# Altium PCB vision-pi-main.PcbDoc (part 4 of 4)
Units mil, origin at the board's own origin, x right, y up, seen from the top; angles counter-clockwise.
Board outline 944.88 x 1496.06 mil, 6 copper layers (Top Layer, GND(2), Sig(3), Sig(4), PWR, Bottom Layer), stack 32.111 mil thick; 145 components, 190 nets, 978 pads, 464 vias.
Unrouted connection lines stored in the file: 2.
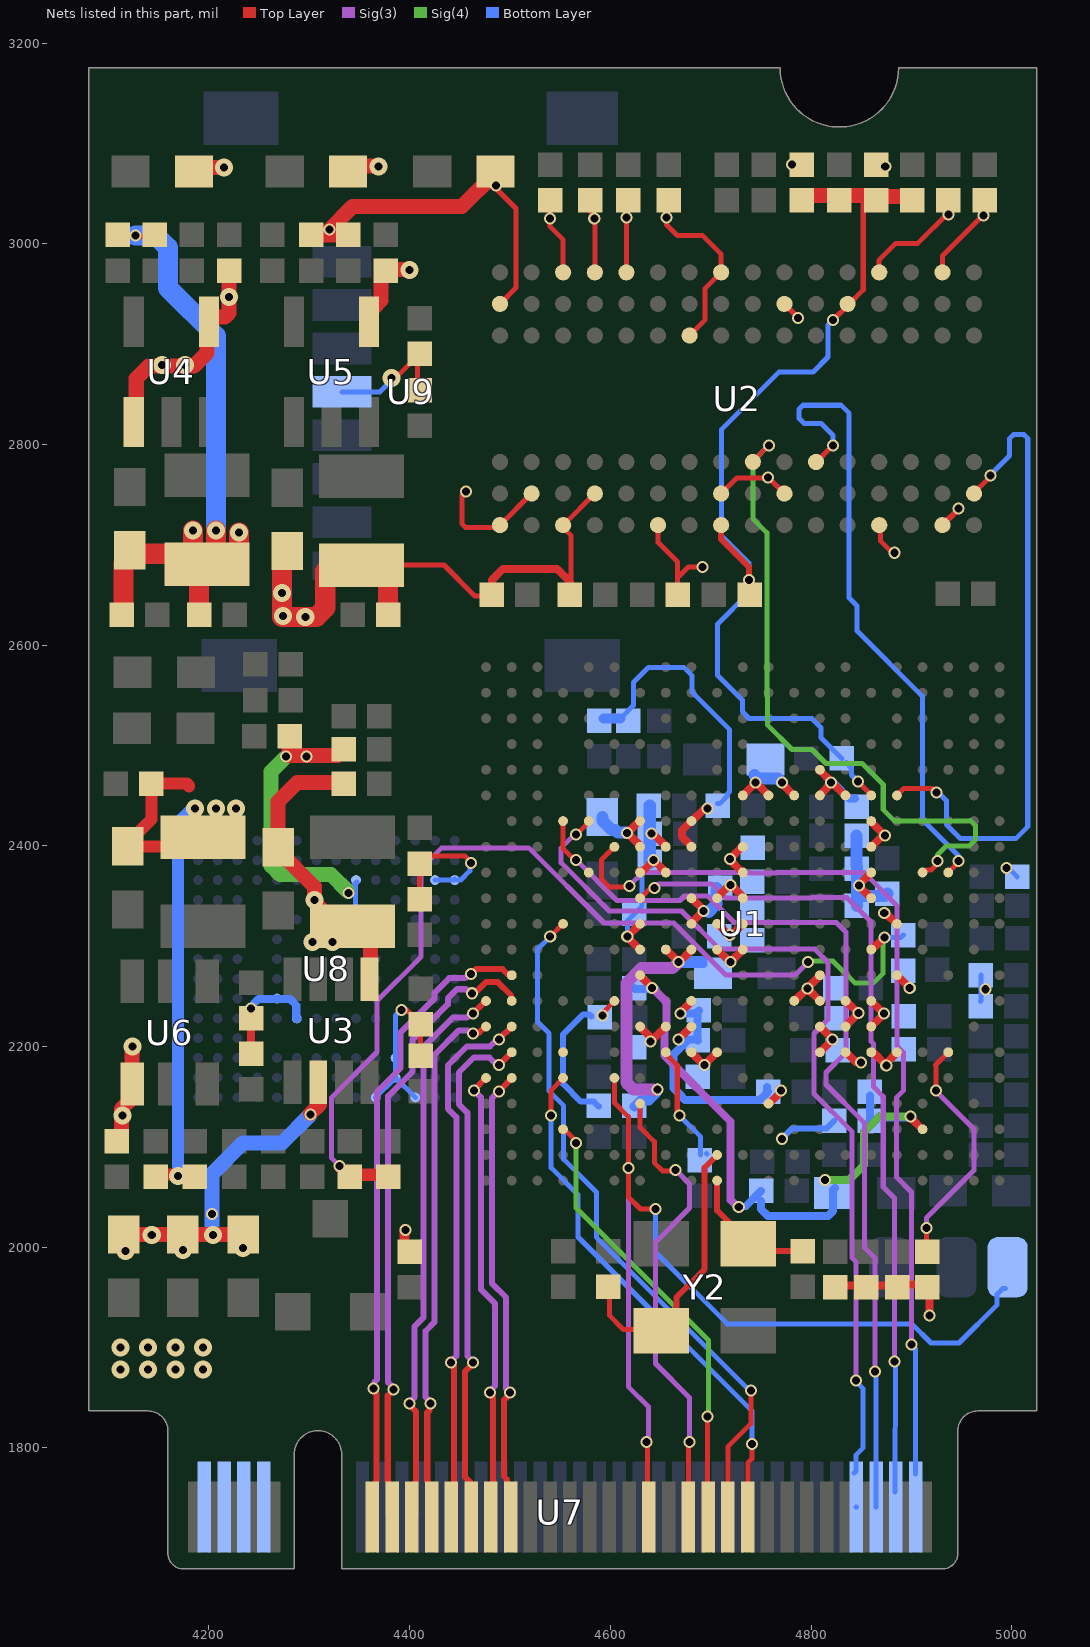
[diagram p8: the nets of this part, all layers, seen from the top]

## Via types
v1: diameter 12, hole 8, Top Layer to Bottom Layer, 412 vias
v2: diameter 18, hole 8, Top Layer to Bottom Layer, 52 vias

## Nets (pads, with @x,y where several pads share a name; then routed paths per layer and width w, separated by ;. In a path a pad name is that pad's centre, name@x,y a point inside that pad or via, vN(x,y) a via of type N, cw(c..) or ccw(c..) an arc to the next point about the centre after c; other vN are vias at no path point) (continued)
SRAS: U1.V13 U2.J3 | length 662
  Top Layer w5: U2.J3@4741.5,2782.54 v1@4756.95,2798 ; U1.V13@4911.5,2372.54 4914.95,2376 4920,2376 v1@4927,2383
  Sig(4) w5: v1(4758,2799) 4742,2783 4742,2726 4756,2712 4756,2549 4756.5,2548.5 4756.5,2520.5 4781,2496 4801,2496 4815,2482 4851,2482 4872,2461 4872,2436 4883,2425 ; 4883,2424.84 4959.16,2424.84 ; v1@4926,2384 v1(4926,2385) 4926,2391 4935,2400 4958,2400 4964,2406 4964,2420 4959.16,2424.84 ; 4959,2425 4959.16,2424.84
SRST: U1.U16 U2.T2 | length 649.7
  Top Layer w5: U1.U16@4885.59,2450.13 4892.46,2457 4921,2457 v1(4925,2453) ; U2.T2@4962.48,2751.02 4962.48,2751.75 v1@4978,2767.27
  Bottom Layer w5: v1(4925,2453) 4926.89,2453 4935,2444.89 4935,2421 4949,2407 5004,2407 5016,2419 5016,2806 5012.07,2809.93 5001.93,2809.93 4998,2806 4998,2789 4979,2770 v1(4979,2769) v1@4979,2768
SVREF: C39.2 C40.2 C41.1 C54.2 R24.2 R25.1 U1.T16 U2.H1 U2.M8 | length 977
  Top Layer w5: R24.2@4791,3049.28 4792.28,3048 R24.2@4793.28,3047 ; v1(4822,2924) 4836.5,2938.5 U2.M8@4836.5,2940 4838,2940 4852.07,2954.07 4852.07,3046 4852,3046 C41.1@4854,3048 ; v1(4847,2464) 4847,2463.57 4860,2450.57 U1.T16@4860,2450.13
  Top Layer w6: U2.H1@4710.51,2719.53 4710.51,2705.49 4738,2678 v1(4738,2665)
  Top Layer w15: R24.2@4792.28,3048 C41.1@4854,3048 ; C41.1@4864,3047 C54.2@4904,3047
  Bottom Layer w5: 4732,2533 4738.2,2526.8 4800.88,2526.8 4810,2517.68 4810,2507.72 C39.2@4830.72,2487 ; v1@4737,2665 4738,2664 4738,2652 4707,2621 4707,2569.68 4731.5,2545.18 4731.5,2533.82 4737.82,2527.5 ; v1(4738,2665) 4738,2682 4711,2709 4711,2815 4768,2872 4802,2872 4817,2887 4817,2919 v1(4822,2924) v1@4823,2925 ; C39.2@4835,2483 4840.42,2477.58 4840.42,2470.47 4846.89,2464 v1(4847,2464)
SWE: U1.W13 U2.L3 | length 643.8
  Top Layer w5: U2.L3@4805.5,2782.54 v1@4820.95,2798 ; U1.W13@4936.77,2373.36 v1@4947.2,2383.8
  Bottom Layer w5: v1@4822,2798 v1(4822,2799) 4822,2809 4810,2821 4793,2821 4788,2826 4788,2835 4792,2839 4830,2839 4838,2831 4838,2646.86 4846,2638.86 4846,2614 4910.89,2549.11 4910.89,2426.11 4947,2390 v1(4947,2385)
UART0_RX: R6.2 U1.H6 | length 119.8
  Top Layer w5: U1.H6@4655,2193 4666.7,2181.3 4666.7,2133.3 v1(4669,2131)
  Bottom Layer w5: v1@4666,2130 4667,2131 v1(4669,2131) 4690,2110 R6.2@4690,2092 ; R6.2@4695.64,2093.36 R6.2@4696.28,2092.72
UART0_TX: pad.@4996,1980 U1.F5 U7.29 | length 967.2
  Top Layer w5: U1.F5@4604.09,2168.64 4604.09,2143.91 4618,2130 v1(4618,2079) 4618,2050 4630,2038 v1@4643,2038 ; v1@4637.22,1804.78 4637.22,1732.22 U7.29@4638.44,1731.01 ; v1@4645,2037 v1(4645,2038)
  Sig(3) w5: v1(4618,2079) 4618,1861 4638,1841 v1@4638,1808
  Bottom Layer w5: v1(4645,2038) 4645,1995 4716.5,1923.5 4900.5,1923.5 4919.5,1904.5 4947.5,1904.5 4985.5,1942.5 4985.5,1953.07 4991.43,1959 pad.@4994,1959
  other v1: 4636,1806
UART1_RX/GPIOG7: U1.D3 U7.23 | length 445.8
  Top Layer w5: U1.D3@4553.54,2117.91 4566,2105.46 v1(4566,2104) ; v1(4697,1831) 4697,1731.5 U7.23@4697.49,1731.01
  Sig(4) w5: v1(4566,2104) 4566,2039 4698,1907 4698,1835 v1@4700,1833
UART1_TX/GPIOG6: U1.G4 U7.25 | length 467.9
  Top Layer w5: U1.G4@4629.69,2143.05 4629.69,2119.32 4643.85,2105.15 4643.85,2084.15 4652,2076 4664,2076 v1(4665,2077) ; U7.25@4677.81,1731.01 4678,1731.2 v1@4678,1805
  Sig(3) w5: v1@4667,2077 4667,2075 4679,2063 4679,2039 4645,2005 4645,1884 4679,1850 v1(4679,1806)
UART2_CTS/GPIOA3: U1.E13
UART2_RTS/GPIOA2: U1.D6
UART2_RX/GPIOA1: U1.D5 U7.19 | length 527.2
  Top Layer w5: v1@4541,2129 v1(4541,2131) 4541,2156.32 U1.D5@4552.91,2168.23 ; U1.D5@4552.78,2168.64 U1.D5@4552.91,2168.64 ; U7.19@4736.86,1731.01 4737,1731.14 4737,1785 4741,1789 v1(4741,1804) v1@4739,1806
  Bottom Layer w5: v1(4541,2131) 4541,2079 4567.8,2052.2 4567.8,2010.11 4741,1836.91 v1@4741,1808.5
UART2_TX/GPIOA0: U1.D11 U7.21 | length 698.9
  Top Layer w5: v1(4540.12,2309.39) U1.D11@4552.91,2322.18 ; U7.21@4717.18,1731.01 4717.17,1801.17 4740,1824 v1(4740,1857)
  Bottom Layer w5: 4527.34,2227.66 4527.5,2227.82 ; v1@4539,2309 4539,2308.27 4527.5,2296.77 4527.5,2227.82 ; v1@4739.5,1856.5 4586,2010 4586,2055 4553.5,2087.5 4553.5,2141 4539,2155.5 4539,2213 4527.5,2224.5 4527.5,2227.82
UART3_CTS/SPI1_MISO: U1.D15 U7.6 | length 947.1
  Top Layer w5: U1.D15@4553,2424 4553,2397 4564,2386 v1(4566,2386)
  Sig(3) w5: v1(4566,2386) 4606.5,2345.5 4669.5,2345.5 4674,2350 4697,2350 4723,2324 ; 4723,2323.5 4825.18,2323.5 4834.71,2313.97 4834.71,2193.71 4815,2174 4815,2162 4853.5,2123.5 4853.5,1999.5 4864,1989 v1(4864,1876)
  Bottom Layer w5: U7.6@4864.81,1741.01 4864.91,1741.1 v1@4864.91,1875
UART3_RTS/SPI1_MOSI: U1.F14 U7.2 | length 933.1
  Top Layer w5: U1.F14@4604.09,2398.95 4591,2385.86 4591,2367 4598.93,2359.07 4617.93,2359.07 v1@4618,2359
  Sig(3) w5: v1(4619,2360) 4632.34,2373.34 4738.66,2373.34 ; 4739,2373 4765.19,2373 4765.71,2373.52 4852.52,2373.52 4885.52,2340.52 4885.52,2314.16 4885.89,2313.79 4885.89,2200.11 4892,2194 4892,2156 4885.5,2149.5 4885.5,2149 ; 4885,2149 4885,2070 4900,2055 v1(4900,1903)
  Bottom Layer w5: v1(4900,1903) 4904.18,1898.82 4904.18,1774.37 U7.2@4903.91,1774.1
UART3_RX/SPI1_CLK: U1.G12 U7.4 | length 828.7
  Top Layer w5: U1.G12@4629.72,2347.45 v1@4642.36,2360.09 ; U1.G12@4630.82,2347.28 U1.G12@4631.45,2347.28
  Sig(3) w5: v1(4644,2358) 4648,2362 4701.01,2362 4714.94,2348.07 4801.2,2348.07 4801.63,2348.5 4835.5,2348.5 4859.89,2324.11 4859.89,2205.11 4862.5,2202.5 4862.5,2159.5 4872,2150 4872,2060 4883,2049 v1(4883,1886)
  Bottom Layer w5: U7.4@4883.91,1756.1 v1@4884,1885
UART3_TX/SPI1_CS: U1.E15 U7.8 | length 895.9
  Top Layer w5: v1@4566,2412.52 4567.52,2412.52 4578.5,2423.5 U1.E15@4578.5,2424.54 U1.E15@4578.5,2425.02
  Sig(3) w5: v1(4566,2411) 4564,2411 4551,2398 4551,2383 4599,2335 4671,2335 4709.11,2296.89 4803.79,2296.89 4817,2283.68 4817,2227 4803,2213 4803,2153 4841,2115 4841,1989 4845,1985 v1(4845,1867)
  Bottom Layer w5: U7.8@4843,1775 4845,1777 4845,1793 4852,1800 4852,1859 v1@4847,1864 ; U7.8@4845.06,1741.07 U7.8@4845.13,1741.01
UBOOT: R11.2 U1.W6 | length 229.8
  Top Layer w5: v1(4915,2019) 4915,2006.72 R11.2@4916,2005.72 ; v1(4924.38,2156) 4924.38,2181.08 4924,2181.46 U1.W6@4936.77,2194.23
  Sig(3) w5: v1(4915,2019) 4915,2029 4962.5,2076.5 4962.5,2117.5 4924.38,2155.62 v1(4924.38,2156)
USB_DM0: U1.B5 U7.43 | length 462.8
  Top Layer w6: v1(4489,2155) v1@4489.5,2155.5 ; v1@4489.55,2156 4501.73,2168.19 U1.B5@4501.73,2168.64 ; 4496.3,1849.67 4500,1854 4494,1847.48 4494,1771.41 4496.94,1768.47 4496.94,1734.7 U7.43@4500.64,1731.01
  Sig(3) w6: v1(4489,2155) 4488.51,2155 4482,2148.49 4482,1964 4496,1950 4496,1859.24 4500,1855.24 v1(4500,1855)
USB_DM1: U1.B7 U7.49 | length 536.6
  Top Layer w6: v1(4441,1885) 4441,1883.99 4444,1880.99 4444,1733.42 U7.49@4441.59,1731.01 ; v1(4488.94,2207.02) U1.B7@4501.73,2219.82
  Sig(3) w6: v1(4441,1885) 4441,1886.01 4446.5,1891.51 4446.5,2129.5 4438,2138 4438,2181 4457,2200 4480.02,2200 4485.7,2205.68 4487.32,2205.68 v1@4488,2205
USB_DM2: U1.A8 U7.53 | length 560
  Top Layer w6: v1(4400,1844) 4400,1842.38 4406.56,1835.82 4406.56,1766.96 4405.91,1766.31 4405.91,1734.7 U7.53@4402.22,1731.01 ; v1(4463,2233) 4463.37,2233 4475.78,2245.41 U1.A8@4476.14,2245.41
  Sig(3) w6: v1(4400,1844) 4400,1845.51 4405,1850.51 4405,1921 4414,1930 4414,2199.56 4443.44,2229 4457.38,2229 4461.38,2233 v1(4463,2233)
USB_DM3: U1.B9 U7.57 | length 625.7
  Top Layer w6: U7.57@4362.85,1731.01 4366.54,1734.7 4366.54,1766.31 4367.19,1766.96 4367.19,1854.19 4364,1857.38 v1(4364,1859) ; 4466,2277 4492.56,2277 4497.82,2271.74 4501,2271.74 U1.B9@4501.73,2271
  Sig(3) w6: 4365.15,1865.65 4367.5,1868 4367.5,2155.06 4391,2178.56 4391,2214 4425,2248 4425,2253.56 4439.44,2268 4455.38,2268 4459.38,2272 v1(4461,2272)
USB_DP0: U1.A5 U7.45 | length 458.9
  Top Layer w6: v1@4463.94,2156.43 U1.A5@4476.14,2168.64 ; U1.A5@4476.14,2167.14 U1.A5@4476.14,2168.64 ; U1.A5@4476.73,2169.23 U1.A5@4476.14,2168.64 ; v1(4480,1855) 4478.85,1853.85 4479.15,1853.85 4483,1850 4483,1733.05 U7.45@4480.96,1731.01
  Sig(3) w6: v1(4464,2156) 4464.49,2156 4471,2149.49 4471,1958 4485,1944 4485,1861.62 4480,1856.62 v1(4480,1855)
USB_DP1: U1.B6 U7.47 | length 490.5
  Top Layer w6: 4456.28,1769.72 4461,1765 U7.47@4461,1764 ; 4456.28,1769.76 4455,1771.04 4455,1875.99 4463,1883.99 v1(4463,1885) ; v1(4488.94,2181.43) U1.B6@4501.73,2194.23
  Sig(3) w6: v1(4463,1885) 4463,1886.01 4457.5,1891.51 4457.5,2134.06 4449,2142.56 4449,2174 4464,2189 4479.47,2189 4485.7,2182.77 4486.77,2182.77 v1@4487.18,2183.18 ; v1@4488,2184 v1@4487.18,2183.18 ; v1(4488.94,2181.43) v1@4487.18,2183.18
USB_DP2: U1.A7 U7.51 | length 528.3
  Top Layer w6: v1(4421,1844) 4419.85,1842.85 4419.85,1837.29 4417.56,1835 4417.56,1766.95 4418.2,1766.31 4418.2,1734.7 U7.51@4421.9,1731.01 ; 4469.43,2214.15 4475.1,2219.82 U1.A7@4476.14,2219.82
  Sig(3) w6: v1(4421,1844) 4421,1845.51 4416,1850.51 4416,1916.44 4425,1925.44 4425,2192 4449,2216 4458.38,2216 4461.38,2213 v1(4463,2213)
USB_DP3: U1.B8 U7.55 | length 632.3
  Top Layer w6: U7.55@4382.53,1731.01 4378.83,1734.7 4378.83,1766.31 4378.19,1766.95 4378.19,1852 4384,1857.81 v1(4384,1858) ; v1(4462,2253) 4465,2253 4476,2264 4488,2264 4501,2251 4501,2246.14 U1.B8@4501.73,2245.41
  Sig(3) w6: v1(4384,1858) 4384,1859.62 4378.5,1865.12 4378.5,2150.5 4403,2175 4403,2207 4438,2242 4438,2248 4447,2257 4456.38,2257 4460.38,2253 v1(4462,2253)
VCC-DRAM: C41.2 C42.2 C43.2 C44.2 C45.2 C46.2 C47.2 C48.2 C49.2 C50.2 C51.2 C52.2 C53.2 C55.2 C56.2 C57.2 C58.2 C72.2 C76.2 C78.1 L3.1 R24.1 R35.1 U1.L16 U1.M16 U1.N16 U1.P16 U1.P17 U1.R16 U1.T12 U1.T13 U1.T14 U1.T15 U1.U11 U2.A1 U2.A8 U2.B2 U2.C1 U2.C9 U2.D2 U2.D9 U2.E9 U2.F1 U2.G7 U2.H2 U2.H9 U2.K2 U2.K8 U2.N1 U2.N9 U2.R1 U2.R9 | length 2284.9
  Top Layer w5: L3.1@4352,2679.71 4434.29,2679.71 4465,2649 C55.2@4477,2649 ; v1(4456,2753) 4452,2749 4452,2721 4455.6,2717.4 4487.91,2717.4 U2.A1@4490.04,2719.53 U2.B2@4521.54,2751.02 ; C42.2@4487,3075 4487,3054 4505.96,3035.04 4505.96,2965.05 4506,2965.01 4506,2955.96 U2.A8@4490.04,2940 ; C43.2@4543,3046 4540,3043 v1(4540,3025) 4540,3017 4553.03,3003.97 U2.C9@4553.03,2971.5 ; U2.C1@4553,2721 4554.5,2721 U2.D2@4584.53,2751.02 ; U2.C1@4553.03,2719.53 4553.03,2716.97 4561,2709 4561,2654 C58.2@4560,2653 ; C44.2@4580,3044 4579,3043 4579,3033 4584.53,3027.47 U2.D9@4584.53,2971.5 ; U2.E9@4616.02,2971.5 4616.02,3042.02 C47.2@4617,3043 ; U2.F1@4647.52,2719.53 4647.52,2702.48 4667,2683 4667,2667 ; C57.2@4656,3049 v1(4656,3026) 4656,3019 4667,3008 4692,3008 4710.51,2989.49 U2.H9@4710.51,2971.5 ; C56.2@4667,2652 4667,2667 ; U2.G7@4679.02,2908.5 4694.59,2924.07 4694.59,2955.57 U2.H9@4710.51,2971.5 ; v1@4691,2678 4678,2678 4667,2667 ; U2.H2@4710.51,2751.02 4726.08,2766.59 v1@4758,2766.59 ; U2.H9@4712,2974 4712,2972.98 U2.H9@4710.51,2971.5 ; v1@4758,2767 v1@4758,2766.59 ; v1@4758.59,2766.59 v1@4758,2766.59 ; U2.K2@4773.5,2751.02 4758,2766.53 v1@4758,2766.59 ; U2.K8@4773.5,2940 4787,2926.5 v1(4787,2926) ; U2.N1@4867.99,2719.53 4869.04,2718.48 4869.04,2703.96 v1@4882,2691 ; U2.N9@4867.99,2971.5 4867.99,2983.99 4884,3000 4906,3000 4937,3031 4937,3038 C45.2@4934,3041 ; U2.R9@4930.98,2971.5 4930.98,2987.98 4971,3028 4971,3028.58 4972,3029.58 C46.2@4972,3044
  Top Layer w6: U2.R1@4930.98,2719.53 4947.46,2736 v1@4948,2736
  Top Layer w8: C55.2@4482,2650 4482,2665 4493,2676 4547,2676 4560,2663 ; U1.L16@4732.05,2450.13 v1(4744.84,2462.93) ; v1@4745.07,2463.02 U1.M16@4757.87,2450.23 ; v1@4770.55,2462.55 U1.N16@4782.87,2450.23 ; U1.P17@4808.72,2475.18 v1@4820.91,2463 ; U1.P16@4808.82,2450.72 v1@4821.07,2462.98 ; v1(4820,2463) v1@4820.91,2463 ; v1@4820.98,2462.93 v1@4820.91,2463 ; U1.R16@4833.87,2450.41 4833.64,2450.41 4821.54,2462.5 4821.54,2463 v1@4820.91,2463 ; v1@4847.43,2360.2 U1.T12@4860.23,2347.41 ; v1@4847.57,2360.8 U1.T13@4860,2373.23 ; U1.T14@4860,2398.77 v1@4872.5,2411.27 ; U1.T15@4860.77,2423 v1@4872.5,2411.27 ; v1@4872.8,2411.57 v1@4872.5,2411.27 ; v1(4873,2333) 4874.23,2333 U1.U11@4885.41,2321.82 ; v1(4873.57,2410.2) v1@4872.5,2411.27
  Top Layer w15: C72.2@4302,3008.72 4337.72,3008.72 R35.1@4339,3010 ; v1(4320,3014) 4343,3037 4452,3037 C42.2@4483,3068
  Top Layer w20: C76.2@4278.08,2693.8 4273,2688.72 v2(4273,2652) 4273,2628 v2(4296,2628) 4307,2628 4315.88,2636.88 L3.1@4315.88,2674 ; L3.1@4372.57,2674 4378.51,2668.06 C78.1@4378.51,2630.29
  Bottom Layer w8: v1(4820,2463) 4820.77,2462.23 4822.77,2462.23 4830.49,2454.52 4830.49,2454.23 4837.72,2447 C50.2@4844,2447
  Bottom Layer w12: C48.2@4743.5,2470.5 4747,2467 4767,2467 v1(4771,2463) ; C51.2@4845.43,2410 4845.43,2379.8 4846,2379.23 C52.2@4846,2348 ; C52.2@4845.72,2340 C52.2@4845.72,2348 ; C52.2@4847,2349 4848,2350 4873.72,2350 C49.2@4876,2352.28
  other v1: 4847.8,2360.57 4692,2678 4883,2692 4947,2736 4757,2767 4584,3025 4616,3026 4972,3028 4937,3029 4486,3058 4874,3077 4781,3079
  other v2: 4274,2629
VDD1V1-EPHY: C11.2 R34.1 U1.F8 | length 149.2
  Top Layer w5: v1@4591.71,2232.61 U1.F8@4604.5,2245.41
  Bottom Layer w6: C11.2@4581,2230 4579.31,2231.69 4572.69,2231.69 4553,2212 4553,2162.69 4570.69,2145 4583.57,2145 R34.1@4588.57,2140
  other v1: 4592,2231
VDD1V2-SYS: C21.2 C34.2 C35.2 C36.2 C37.2 C38.2 C75.2 C77.2 C79.2 C80.1 L4.1 R34.2 R36.1 U1.H10 U1.J10 U1.J11 U1.J12 U1.K10 U1.K11 U1.K12 U1.L10 U1.L11 U1.L12 U1.L13 U1.L14 | length 1199.5
  Top Layer w5: L4.1@4164,2410.29 4186,2432.29 v2(4186,2437) ; L4.1@4193,2394.14 4203,2404.14 4201,2406.14 4207,2412.14 v2(4207,2437) ; L4.1@4219,2395.14 4227,2403.14 v2(4227,2437)
  Top Layer w8: U1.H10@4655.41,2296.87 v1@4668.21,2284.07 ; v1@4668.13,2283.41 U1.J10@4680.93,2296.21 ; U1.J11@4680.05,2322.36 v1(4692.84,2335.16) ; U1.J12@4680.95,2347.95 4681,2347.91 v1@4693.75,2335.16 ; U1.K10@4706.41,2296.87 v1@4719.21,2284.07 ; U1.K11@4706.84,2322.43 v1@4719.5,2309.78 ; U1.K12@4707.05,2348.95 v1@4719.84,2361.75 ; v1@4718.25,2386.84 U1.L13@4731.05,2374.05 ; v1@4718.57,2308.84 v1@4719.5,2309.78 ; v1(4719.16,2386.84) U1.L14@4731.95,2399.64 ; v1@4719.64,2309.64 v1@4719.5,2309.78 ; v1(4719.79,2284.16) U1.L10@4732.59,2296.95 ; v1@4719.84,2361.43 U1.L12@4732.64,2348.64 ; U1.L11@4731.36,2321.64 v1@4719.5,2309.78
  Top Layer w12: C77.2@4118,2410 4126.26,2410 4142.72,2426.46 C80.1@4142.72,2462 4178.08,2462 4180,2460.08 4180,2459 ; C77.2@4119,2399.5 4165.5,2399.5 L4.1@4174,2408 ; R36.1@4147,2072.28 4184.72,2072.28 C75.2@4187,2070
  Sig(3) w12: v1@4644,2156 4643,2157 4623.03,2157 4616,2164.03 4616,2263 4631,2278 4662,2278 v1(4668,2284)
  Bottom Layer w8: C79.2@4691,2284 C79.2@4693,2282
  Bottom Layer w10: R34.2@4624,2140 4630.2,2146.2 4638.47,2146.2 4645.92,2153.65 4645.92,2156.92 v1@4647,2158
  Bottom Layer w12: v2(4169,2071) 4169,2423 v2@4181,2435 ; v1(4668,2284) C79.2@4691,2284 ; v1@4698,2334 4705.72,2341.72 C35.2@4705.72,2358
  other v1: 4647,2157 4719,2311 4719.84,2360.84
VDD-CPUFB: C69.2 R16.1 R27.1 U1.T10 | length 1006
  Top Layer w8: U1.T10@4860.41,2296 v1(4873.21,2308.8)
  Top Layer w12: C69.2@4331,2079.58 C69.2@4339.29,2071.29 ; C69.2@4339,2071 C69.2@4339.29,2071.29 ; C69.2@4340.46,2070.13 C69.2@4339.29,2071.29 ; R27.1@4378.73,2071.94 4378.53,2072.14 4340.14,2072.14 C69.2@4339.29,2071.29
  Sig(3) w5: v1(4330,2081) 4322,2089 4322,2149 4367.5,2194.5 4367.5,2245.5 4411.55,2289.55 4411.55,2377.55 4432,2398 4518.68,2398 4593.68,2323 4663.27,2323 4715.27,2271 4784,2271 v1(4797,2284) v1@4798,2285
  Sig(4) w5: v1@4798,2284 4799,2285 4822,2285 4844,2263 4862,2263 4871.87,2272.87 4871.87,2307.46 v1(4873.21,2308.8)
  Bottom Layer w5: v1@4873,2309 v1(4873.21,2308.8) 4889.8,2308.8 R16.1@4892,2311
VDD-CPUS: C19.2 C24.2 C25.2 U1.J7 U1.J8 U1.M4 | length 277.3
  Top Layer w8: v1(4668.07,2207.02) U1.J7@4680.87,2219.82 ; v1(4670,2233) 4670,2234.04 4680.87,2244.91 U1.J8@4680.87,2245.41 ; U1.M4@4757.14,2143.05 U1.M4@4757.64,2143.05 ; U1.M4@4758.05,2142.86 v1@4768,2152.81
  Bottom Layer w8: v1@4668.98,2207.02 4686.26,2207.02 C24.2@4687,2206.28 ; 4671,2150 4674.2,2146.8 4749.08,2146.8 C19.2@4756,2153.72 ; v1@4671,2233 4685.28,2233 C25.2@4687,2234.72 ; 4671.28,2150.28 4663,2158.56 4663,2192 C24.2@4677,2206 ; C24.2@4687,2206 C24.2@4687,2206.28 ; C24.2@4687.28,2206 C24.2@4687,2206.28 ; C25.2@4688.28,2236 C25.2@4687,2234.72 ; C19.2@4756,2159.5 C19.2@4756,2153.72 ; C19.2@4757.28,2155 C19.2@4756,2153.72 ; C24.2@4687,2206.28 C25.2@4687,2234.72
  other v1: 4770,2156
VDD-CPUX: C29.2 C30.2 C31.2 C32.2 C33.2 C60.2 C61.1 L1.1 R16.2 U1.N8 U1.P6 U1.P7 U1.P8 U1.P9 U1.R6 U1.R7 U1.R8 U1.T6 U1.T7 U1.T8 U1.U6 U1.U9 U3.5 | length 526.2
  Top Layer w8: U1.N8@4783.59,2245.23 v1@4796.39,2258.02 ; v1(4796.39,2257.8) U1.P8@4809.18,2245 ; v1@4796.61,2258.39 U1.P9@4809.41,2271.18 ; U1.P6@4808.77,2193.82 v1@4821.57,2206.61 ; U1.P7@4808.82,2219.82 v1(4821.61,2207.02) ; U1.R6@4834.41,2194.23 4834.91,2194.23 4844.37,2184.77 4849.23,2184.77 v1(4850,2184) ; U1.R7@4834.59,2220.41 v1@4847.2,2233.02 ; U1.R8@4835.41,2244.82 v1@4847.2,2233.02 ; v1(4847.39,2233.21) v1@4847.2,2233.02 ; v1@4848.21,2232.02 v1@4847.2,2233.02 ; U1.T7@4859.18,2219 U1.T7@4860,2219.82 v1@4871.98,2231.8 ; U1.T6@4860,2194.23 4860.35,2193.88 4862.12,2193.88 v1@4873.91,2182.09 ; U1.T8@4860,2245.41 v1(4872.8,2232.61) ; v1@4873.43,2181.61 v1@4873.91,2182.09 ; v1(4875,2181) v1@4873.91,2182.09 ; U1.U9@4885.59,2271 v1(4898.39,2258.2) ; U1.U6@4886.23,2194.41 v1@4873.91,2182.09
  Top Layer w15: C61.1@4329,2463 4288,2463 4269,2444 C60.2@4269,2398.5 4269,2395.25 4305,2359.25 v2(4305,2346) 4305,2344 4308,2341 4318.5,2330.5 4339.5,2330.5 L1.1@4349,2321 ; U3.5@4360.11,2266.84 4361,2267.73 L1.1@4361,2317
  other v2: 4303,2304 4323,2304
VDD_5V: C59.2 C62.2 C63.2 C64.2 C70.2 C71.1 C73.2 C74.1 U3.2 U4.1 U4.4 U5.4 U6.4 U7.68 U7.70 U7.72 U7.74 | length 755.2
  Top Layer w15: C74.1@4108,2107.46 4112.7,2112.17 4112.7,2137.85 4122,2147.15 U6.4@4122,2153 ; C73.2@4115,2012.5 C59.2@4174,2012.5 4229.5,2012.5 C62.2@4232,2010 ; U6.4@4123.5,2178.22 v2@4123.5,2200.61 ; U4.1@4125.08,2822.29 4127.58,2824.79 4127.58,2865.58 4140,2878 4185,2878 4198,2891 4198,2916 U4.4@4200,2918 ; C63.2@4184.99,3076 4214,3076 v2@4215,3075 ; U4.4@4198.09,2924.09 4201,2927 4216,2927 4220,2931 v2(4220,2947) C64.2@4220,2973.28 ; v1@4301,2133 4310.29,2142.29 4310.29,2163.12 U3.2@4308.93,2164.48 ; C70.2@4338.5,3078 4339,3077.5 4368.5,3077.5 v2@4369,3078 ; U5.4@4365,2937 4371.3,2943.3 4371.3,2968.58 C71.1@4376,2973.28 ; C71.1@4378.22,2974.5 v2@4400.61,2974.5
  Bottom Layer w15: v2@4205,2013 4203,2015 v1(4203,2033) 4203,2073 4234,2104 4273,2104 v1@4300.67,2131.67
  other v1: 4301,2132
  other v2: 4112,1878 4139.33,1878 4166.67,1878 4194,1878 4112,1900 4139.33,1900 4166.67,1900 4194,1900 4117,1996 4174,1997 4234,1999 4143,2012 4204,2012 4114,2131 4124,2200 4153,2879 4176,2879 4400,2974 4215,3076 4369,3077
VDD_AV_3.3V: C10.2 C13.2 C14.2 R7.2 R15.1 U1.G9 U1.V3 | length 645.5
  Top Layer w8: U1.G9@4630.59,2269.87 v1@4643.39,2257.07 ; v1@4899.02,2129.34 U1.V3@4911.82,2116.54
  Sig(3) w8: v1@4643.39,2257.07 4643.39,2256.84 4656,2244.23 4656,2218.58 4654.07,2216.65 4654.07,2190.93 4720,2125 4720,2047 v1@4726,2041
  Sig(4) w8: v1(4814,2067) v1@4817,2067 ; v1@4815,2069 v1@4817,2067 ; v1(4899,2130) 4868,2130 4853,2115 4853,2082 4838,2067 v1@4817,2067
  Bottom Layer w8: C10.2@4623.72,2258 4624.65,2257.07 4643.39,2257.07 4644.93,2257.07 v1@4645,2257 ; 4735.05,2040.77 R15.1@4750.28,2056 ; R15.1@4750,2046 4750,2038 4757,2031 4817,2031 4822,2036 4822,2056.99 C13.2@4824.01,2059 ; R7.2@4855,2122 4858.72,2125.72 R7.2@4858.72,2126 C14.2@4858.72,2151 ; R7.2@4858.72,2121 4866.72,2129 v1@4897,2129
  other v1: 4728,2040 4641.39,2258.07
VDD_SYS_3.3V: C1.2 C2.2 C3.2 C8.2 C15.2 C26.2 C27.2 C28.2 C65.1 C66.2 C67.1 C83.2 C86.2 C87.2 C88.2 C89.2 L2.1 R1.1 R2.1 R4.1 R7.1 R10.2 R11.1 R12.2 R13.2 R14.2 R26.1 R31.2 R32.2 R33.2 R39.2 R42.2 R43.2 U1.G7 U1.G10 U1.G11 U1.G13 U1.G14 U1.G15 U1.H7 U1.H13 U1.H14 U1.J6 U1.J14 U1.J15 U1.K6 U8.C6 U8.E6 U8.F5 U8.J10 U8.K9 U8.M4 U8.N4 U8.P3 U8.P5 U9.4 | length 2385.1
  Top Layer w5: C65.1@4109,3008.72 4110.71,3007 R26.1@4147,3007 ; C66.2@4114,2683 C66.2@4115,2682 ; v2@4383,2866 4385.49,2868.49 4388.2,2868.49 R43.2@4410,2890.28 ; v1@4389.71,2234.48 4392.22,2236.99 4396.3,2236.99 C88.2@4411,2222.28 ; R43.2@4408,2885 4408,2856 C89.2@4410,2854 ; C88.2@4409,2222 4411,2220 C83.2@4411,2190.72
  Top Layer w8: C87.2@4240,2224 4242,2222 C86.2@4242,2192.72 C86.2@4243,2193.72 ; v1@4616.13,2413.64 v1@4616.98,2412.8 ; v1@4616.79,2309.11 U1.G10@4629.59,2296.32 ; v1(4616.84,2412.66) v1@4616.98,2412.8 ; v1(4616.89,2309.39) U1.G11@4629.69,2322.18 ; U1.G14@4628.93,2400.84 v1@4616.98,2412.8 ; U1.G13@4629,2375 4629,2373 4629.36,2373.36 U1.G13@4629.69,2373.36 U1.G13@4630.46,2373.36 ; U1.G7@4629.59,2219.68 4629.59,2219.41 4639.23,2209.77 4639.23,2205.77 v1(4640,2205) ; U1.G15@4629.64,2425.46 v1@4616.98,2412.8 ; U1.G13@4630.84,2373.07 v1@4643.27,2385.5 ; v1(4641,2412) 4642.82,2412 U1.H14@4654.46,2400.36 ; v1@4642.13,2386.64 v1@4643.27,2385.5 ; v1@4642.37,2206.91 U1.H7@4655.28,2219.82 ; v1@4643.64,2385.87 v1@4643.27,2385.5 ; U1.H13@4654.93,2373.84 v1@4643.27,2385.5 ; U1.J6@4680.77,2193.87 v1@4693.57,2181.07 ; U1.J14@4680.87,2398.95 4680.87,2399.45 4671.47,2408.84 4671.47,2415.47 U1.J15@4681,2425 ; U1.J15@4680.87,2424.54 4681.36,2424.54 4693.06,2436.23 4696.23,2436.23 v1(4697,2437) ; v1(4693.66,2181.43) U1.K6@4706.46,2194.23 ; R1.1@4834,1962 4877.72,1962 4878.72,1963 4911,1963 4918,1956 v1(4918,1932)
  Top Layer w10: v1@4395,2018 4395,2005.72 R31.2@4402,1998.72
  Top Layer w15: R33.2@4280,2506 4280,2490 4328.28,2490 R4.1@4334.28,2496
  Top Layer w20: C67.1@4113.28,2630 4115,2631.72 C66.2@4115,2682 ; C66.2@4127,2691 L2.1@4179.86,2691 ; L2.1@4163,2691 4169,2685 L2.1@4169,2673 ; v2(4184,2714) 4184,2697 4178,2691 L2.1@4179.86,2691 ; L2.1@4188,2669 4190.28,2666.72 R32.2@4190.28,2630 ; L2.1@4196,2670.14 L2.1@4196,2680.71 ; L2.1@4206.85,2680.71 L2.1@4198,2680.71 L2.1@4196,2680.71 ; v2(4207,2714) 4207,2691.71 L2.1@4196,2680.71 ; L2.1@4222,2669.14 4227.86,2675 4224,2675 4230,2681 v2(4230,2712) ; L2.1@4179.86,2691 4190.15,2680.71 L2.1@4196,2680.71
  Sig(4) w15: v1@4275,2487 4262,2474 4262,2380 4270.79,2371.21 4321.79,2371.21 v1@4338,2355
  Bottom Layer w5: U9.4@4332.59,2852.28 4370.28,2852.28 v2@4382,2864 ; v1@4338,2354.22 U8.C6@4347.57,2363.8 ; U8.C6@4346,2363 4346,2328.15 U8.E6@4347.15,2327 ; U8.E6@4346.57,2326.43 U8.F5@4366,2307 ; U8.P5@4366.13,2149.13 U8.P5@4366.26,2149.26 U8.N4@4385,2168 ; U8.N4@4385,2169 4385.94,2169.94 U8.M4@4385.94,2188.63 4386,2188.69 4386,2231 v1@4391,2236 ; U8.N4@4385.94,2168.94 U8.P3@4405.63,2149.26 ; R2.1@4610.28,2527 4623,2539.72 4623,2562.68 4638.11,2577.79 4673.25,2577.79 4681.16,2569.88 4681.16,2553.36 4719,2515.52 4719,2454 4716.7,2451.7 4716.7,2449.7 4709,2442 C15.2@4707,2442 ; v1@4617,2309 4616.89,2309.11 v1(4616.89,2309.39) 4616.89,2325.17 C28.2@4623.72,2332 4631.5,2339.78 4631.5,2376.5 C27.2@4631,2377 ; R14.2@4969,2245 4969.28,2245.28 R13.2@4969.28,2271 ; v1@4993,2380 4994.43,2380 R12.2@5005.43,2369
  Bottom Layer w6: v1@4773.5,2110.5 4781,2118 4815.28,2118 R7.1@4823.28,2126
  Bottom Layer w8: v1@4245,2243 4249.33,2247.33 4267.48,2247.33 U8.J10@4267.83,2247.69 4268.19,2247.33 4280.67,2247.33 4287,2241 U8.K9@4287,2229 ; U8.K9@4287.17,2227.17 4287.17,2227.65 U8.K9@4287.52,2228
  Bottom Layer w10: R42.2@4593,2527 R2.1@4610.28,2527
  Bottom Layer w12: C26.2@4592,2428.5 4592,2425.25 4601.75,2415.5 4605,2415.5 4607.5,2413 v1@4616,2413 ; C8.2@4639.28,2440 C1.2@4639.28,2412 C27.2@4639.28,2384 4639.28,2383.72 C27.2@4640,2383
  Bottom Layer w20: v1(4127,3008) 4147.28,3008 4159,2996.28 4159,2956 4207,2908 v2(4207,2714)
  other v1: 4396,2017 4771,2108 4391.71,2236.48 4242,2238 4974,2257 4339,2353 4995,2378 4643,2386 4277,2489 4297,2489
  other v2: 4382,2866
VDDI-EMMC: C84.2 C85.2 U8.C1 U8.C2 | length 135
  Top Layer w5: C84.2@4409,2354 4410,2355 C85.2@4410,2382.28 4417.72,2390 4455,2390 4461,2384 v1@4462,2384 ; C84.2@4410,2346.72 C84.2@4412.28,2349
  Bottom Layer w5: U8.C2@4425.31,2365.8 4443.8,2365.8 U8.C1@4445,2367 ; U8.C1@4445,2365.8 4450.8,2365.8 4460,2375 v1@4460,2381.4
  other v1: 4461,2383
X24MI: C22.2 U1.K2 Y2.1 | length 255.1
  Top Layer w5: C22.2@4598,1967.28 4599,1966.28 4599,1932 4613,1918 Y2.1@4644,1918
  Top Layer w6: 4666,1940 4666,1950 4694,1978 4694,2079.41 U1.K2@4706.46,2091.87
X24MO: C23.2 U1.K1 Y2.3 | length 106.2
  Top Layer w6: U1.K1@4706.46,2066.28 4706.46,2036.54 Y2.3@4721,2022 ; Y2.3@4737.31,2003.31 Y2.3@4738,2002.61 ; Y2.3@4743,2004 4751,1996 4782.28,1996 C23.2@4791,2004.72
pads on no net: U1.A1 U1.A13 U1.A14 U1.A20 U1.AA2 U1.AA8 U1.AA9 U1.AA11 U1.AA12 U1.AA14 U1.AA15 U1.AA17 U1.AA18 U1.B2 U1.B12 U1.B13 U1.B14 U1.B20 U1.C14 U1.C21 U1.D13 U1.E2 U1.E14 U1.E18 U1.E19 U1.E20 U1.F1 U1.F2 U1.F10 U1.F19 U1.F20 U1.F21 U1.G1 U1.G2 U1.G5 U1.H2 U1.H3 U1.H17 U1.H18 U1.H19 U1.J1 U1.J2 U1.K3 U1.K4 U1.K17 U1.K18 U1.L5 U1.L17 U1.L18 U1.L19 U1.M1 U1.M2 U1.N1 U1.P2 U1.P3 U1.R2 U1.T5 U1.U2 U1.U4 U1.V1 U1.V5 U1.W1 U1.W9 U1.W12 U1.W15 U1.Y2 U1.Y7 U1.Y8 U1.Y9 U1.Y10 U1.Y11 U1.Y12 U1.Y13 U1.Y14 U1.Y15 U1.Y16 U1.Y17 U3.1 U6.5 U8.A8 U8.A9 U8.A10 U8.A11 U8.A12 U8.A13 U8.A14 U8.B1 U8.B7 U8.B8 U8.B9 U8.B10 U8.B11 U8.B12 U8.B13 U8.B14 U8.C7 U8.C8 U8.C9 U8.C10 U8.C11 U8.C12 U8.C13 U8.C14 U8.D3 U8.D12 U8.D13 U8.D14 U8.E1 U8.E2 U8.E3 U8.E5 U8.E8 U8.E9 U8.E10 U8.E12 U8.E13 U8.E14 U8.F1 U8.F2 U8.F3 U8.F10 U8.F12 U8.F13 U8.F14 U8.G1 U8.G2 U8.G3 U8.G10 U8.G12 U8.G13 U8.G14 U8.H1 U8.H2 U8.H3 U8.H5 U8.H12 U8.H13 U8.H14 U8.J1 U8.J2 U8.J3 U8.J12 U8.J13 U8.J14 U8.K1 U8.K2 U8.K3 U8.K6 U8.K7 U8.K10 U8.K12 U8.K13 U8.K14 U8.L1 U8.L2 U8.L3 U8.L12 U8.L13 U8.L14 U8.M1 U8.M2 U8.M3 U8.M7 U8.M8 U8.M9 U8.M10 U8.M11 U8.M12 U8.M13 U8.M14 U8.N1 U8.N3 U8.N6 U8.N7 U8.N8 U8.N9 U8.N10 U8.N11 U8.N12 U8.N13 U8.N14 U8.P1 U8.P7 U8.P8 U8.P9 U8.P10 U8.P11 U8.P12 U8.P13 U8.P14

## Polygon pours and split planes (outlines as drawn)
GND on Bottom Layer "Bottom Layer-GND" (solid, remove dead copper, pour order 2): 7990,3190 7994,3186 8939,3186 8939,1854 8943,1850 8939,1846 8859,1846 8859,1690 8856,1687 8855,1688 8066,1688 8066,1844 8062,1848 7988,1848
GND on Top Layer "Top Layer-GND" (solid, remove dead copper, pour order 0): 2,3588 6,3584 951,3584 951,2252 955,2248 951,2244 871,2244 871,2088 868,2085 867,2086 78,2086 78,2242 74,2246 0,2246
GND on GND(2) (split plane): 5005.03,1856.83 4966.08,1856.83 4965.72,1856.79 4960.89,1856.48 4955.78,1855.46 4950.86,1853.79 4946.19,1851.49 4941.87,1848.6 4937.95,1845.17 4934.52,1841.26 4931.63,1836.93 4929.33,1832.26 4927.66,1827.34 4926.65,1822.24 4926.33,1817.4 4926.29,1817.05 4926.29,1699.35 4352.32,1699.35 4352.32,1793.42 4352.31,1793.52 4351.94,1799.13 4350.82,1804.74 4348.98,1810.15 4346.46,1815.28 4343.28,1820.04 4339.51,1824.33 4335.21,1828.11 4330.45,1831.28 4325.33,1833.81 4319.91,1835.65 4314.3,1836.76 4308.6,1837.14 4302.89,1836.76 4297.28,1835.65 4291.87,1833.81 4286.74,1831.28 4281.98,1828.11 4277.68,1824.33 4273.91,1820.04 4270.74,1815.28 4268.21,1810.15 4266.37,1804.74 4265.25,1799.13 4264.89,1793.52 4264.88,1793.42 4264.88,1699.35 4179.09,1699.35 4179.09,1817.05 4179.05,1817.4 4178.74,1822.24 4177.72,1827.34 4176.05,1832.26 4173.75,1836.93 4170.86,1841.26 4167.43,1845.17 4163.52,1848.6 4159.19,1851.49 4154.52,1853.79 4149.6,1855.46 4144.5,1856.48 4139.66,1856.79 4139.31,1856.83 4100.35,1856.83 4100.35,3155.22 4751.82,3155.22 4752.54,3152.34 4755.16,3145.02 4758.48,3138 4762.47,3131.34 4767.1,3125.1 4772.31,3119.35 4778.07,3114.13 4784.31,3109.5 4790.97,3105.51 4797.99,3102.19 4805.31,3099.57 4812.84,3097.68 4820.52,3096.54 4828.28,3096.16 4836.04,3096.54 4843.72,3097.68 4851.26,3099.57 4858.57,3102.19 4865.59,3105.51 4872.26,3109.5 4878.49,3114.13 4884.25,3119.35 4889.47,3125.1 4894.09,3131.34 4898.09,3138 4901.41,3145.02 4904.02,3152.34 4904.74,3155.22 5005.03,3155.22
VDD_5V on PWR (split plane): 4436.9,2878.1 4220,2878.1 4218.05,2877.71 4216.4,2876.6 4165.4,2825.6 4164.29,2823.95 4163.9,2822 4163.9,2330.1 4156,2330.1 4154.05,2329.71 4152.4,2328.6 4151.29,2326.95 4150.9,2325 4151.29,2323.05 4152.4,2321.4 4154.05,2320.29 4156,2319.9 4163.9,2319.9 4163.9,2050.87 4163.29,2049.95 4162.9,2048 4163.29,2046.05 4164.4,2044.4 4166.05,2043.29 4168,2042.9 4254.9,2042.9 4254.9,1918.11 4173.74,1836.95 4170.86,1841.26 4167.43,1845.17 4163.52,1848.6 4159.19,1851.49 4154.52,1853.79 4149.6,1855.46 4144.5,1856.48 4139.66,1856.79 4139.31,1856.83 4100.35,1856.83 4100.35,3155.22 4436.9,3155.22
VDD1V2-SYS on PWR (split plane): 4605.4,2395.4 4607.05,2394.29 4609,2393.9 4727.89,2393.9 4739.9,2381.89 4739.9,2284.1 4700.11,2284.1 4638.6,2345.6 4636.95,2346.71 4635,2347.1 4575.11,2347.1 4548.6,2373.6 4546.95,2374.71 4545,2375.1 4317,2375.1 4315.05,2374.71 4313.4,2373.6 4269.89,2330.1 4174.1,2330.1 4174.1,2447.9 4552.89,2447.9
VDD_SYS_3.3V on PWR (split plane): 166 vertices, not listed, extent 4174.1,1699.35 5005.03,2867.9
VDD-CPUX on PWR (split plane): 4569.4,2338.4 4571.05,2337.29 4573,2336.9 4632.89,2336.9 4694.4,2275.4 4696.05,2274.29 4698,2273.9 4742.13,2273.9 4743.05,2273.29 4745,2272.9 4746.95,2273.29 4747.87,2273.9 4900.89,2273.9 4917.9,2256.89 4917.9,2179.11 4895.89,2157.1 4745.11,2157.1 4727.6,2174.6 4725.95,2175.71 4724,2176.1 4719.11,2176.1 4698.6,2196.6 4696.95,2197.71 4695,2198.1 4666.11,2198.1 4658.1,2206.11 4658.1,2229 4658.1,2257 4657.71,2258.95 4656.6,2260.6 4640.6,2276.6 4638.95,2277.71 4637,2278.1 4634.11,2278.1 4621.6,2290.6 4619.95,2291.71 4618,2292.1 4617.5,2292 4617,2292.1 4278.1,2292.1 4278.1,2323.89 4319.11,2364.9 4542.89,2364.9
VCC-DRAM on PWR (split plane): 5005.03,2419.1 4963,2419.1 4961.05,2418.71 4959.4,2417.6 4933.4,2391.6 4932.29,2389.95 4931.9,2388 4931.9,2332.11 4922.89,2323.1 4871.11,2323.1 4841.1,2353.11 4841.1,2427 4840.71,2428.95 4839.6,2430.6 4815.6,2454.6 4813.95,2455.71 4812,2456.1 4741.11,2456.1 4736.1,2461.11 4736.1,2506 4735.71,2507.95 4734.6,2509.6 4684.6,2559.6 4682.95,2560.71 4681,2561.1 4351.11,2561.1 4256.1,2656.11 4256.1,2781.89 4279.11,2804.9 4397,2804.9 4398.95,2805.29 4400.6,2806.4 4445.6,2851.4 4446.71,2853.05 4447.1,2855 4447.1,3155.22 4751.82,3155.22 4752.54,3152.34 4755.16,3145.02 4758.48,3138 4762.47,3131.34 4767.1,3125.1 4772.31,3119.35 4778.07,3114.13 4784.31,3109.5 4790.97,3105.51 4797.99,3102.19 4805.31,3099.57 4812.84,3097.68 4820.52,3096.54 4828.28,3096.16 4836.04,3096.54 4843.72,3097.68 4851.26,3099.57 4858.57,3102.19 4865.59,3105.51 4872.26,3109.5 4878.49,3114.13 4884.25,3119.35 4889.47,3125.1 4894.09,3131.34 4898.09,3138 4901.41,3145.02 4904.02,3152.34 4904.74,3155.22 5005.03,3155.22

## Keep-outs
Keep-Out Layer:
  lines w3: 5025.13,1836.73 4966.08,1836.73 ccw(c4966.08,1817.05) 4946.39,1817.05 4946.39,1695 cw(c4930.64,1695) 4930.64,1679.25 4332.22,1679.25 4332.22,1793.42 ccw(c4308.6,1793.42) 4284.97,1793.42 4284.97,1679.25 4174.74,1679.25 cw(c4174.74,1695) 4158.99,1695 4158.99,1817.05 ccw(c4139.31,1817.05) 4139.31,1836.73 4080.25,1836.73 4080.25,3175.31 4769.23,3175.31 ccw(c4828.28,3175.31) 4887.34,3175.31 5025.13,3175.31 ; 5025.25,1837.73 5025.25,3176.31

## Other copper
Top Layer:
  rectangle net VDD1V2-SYS: 4131,2398 4196,2462
  rectangle net VCC-DRAM: 4269,2628 4313,2713
  pour cut-out: 4352,1866 4352,2125 4431,2204 4490,2204 4490,1865 4487,1862
  region net GND: 4178.2,1728 4189,1728 4270,1728 4270,1896 4249,1914 4249,1938 4249,1967 4101,1967 4100,1968 4100,1921 4212,1921 4212,1804 4190,1804 4178.2,1792.2
Bottom Layer:
  region net VDD1V2-SYS: 4716,2259 4716,2371 4692,2371 4692,2259
  region net VDD1V2-SYS: 4731,2257 4731,2394 4707,2394 4707,2257
  region net VDD1V2-SYS: 4754,2311 4754,2402 4730,2402 4730,2311
  region net VDD-CPUX: 4904,2228 4904,2271 4880,2271 4880,2228
  region net VDD-CPUX: 4904,2181 4904,2241 4832,2241 4832,2181
  region net VDD-CPUX: 4835,2184 4835,2251 4815,2251 4815,2184
  rectangle net VDD-CPUX: 4793,2246 4836,2272
  pour cut-out: 4297,1818 4306,1827 4306,2205 4427,2326 4512,2326 4512,1923 4577,1858 4576,1857 4576,1825
  region net GND: 4731,2451 4822,2451 4822,2332 4853,2301 4853,2287 4845,2279 4823,2279 4823,2288 4813,2298 4770,2298 4765,2303 4765,2427 4733,2427 4731,2429
  region net VDD_SYS_3.3V: 4577,2447 4651,2447 4651,2376 4650,2375 4628,2375 4628,2395 4614,2409 4577,2409
  region net VDD_5V: 4100,1913 4234,1913 4261,1886 4261,1748 4190,1748 4189,1749 4189,1840 4167,1862 4100,1862
PWR (plane layer: these items are gaps in the copper):
  lines w10: 4152,1830 4174,1830 4260,1916 4260,2047 ; 4156,2325 4270,2325 ; 4174,2453 4188,2453 4196,2453 4555,2453 4609,2399 4654,2399 4730,2399 4745,2384 4745,2278 ; 4251,2654 4349,2556 4681,2556 4731,2506 4731,2459 4739,2451 4812,2451 4836,2427 4836,2351 4869,2318 4925,2318 4937,2330 4937,2388 4963,2414 5008,2414 ; 4251,2655 4251,2784 4277,2810 4397,2810 4442,2855 4442,3168 ; 4257,2048 4168,2048 4169,2049 4169,2822 4220,2873 4438,2873 ; 4273,2286 4273,2326 4317,2370 4545,2370 4573,2342 4617,2342 4635,2342 4698,2279 4903,2279 4923,2259 ; 4274,2287 4617,2287 ; 4618,2287 4631,2274 ; 4631,2273 4637,2273 4653,2257 4653,2229 4653,2204 4664,2193 4695,2193 4717,2171 4724,2171 4743,2152 4898,2152 ; 4899,2153 4923,2177 4923,2259 ; 4918,2264 4923,2259 ; 5014,2324 5016,2326 5016,2391 ; 5025,2273 5025,2295 5019,2295 5025,2289 5025,2294

## Silkscreen, mask and mechanical layers (free items; w line width, h text height)
Top Overlay:
  lines w8: 4407,2670 4462,2670 4462,2771 4407,2771 4407,2670 ; 4949,1915 4949,2046 5006,2046 5006,1915 4949,1915
  text "RAM" at 4450,2681 h30 r90
  text "CORE" at 4993,1926 h30 r90
Bottom Overlay:
  lines w5: 4739.01,1951.96 4853.1,1952.71 ; 4739.1,1952.58 4739.1,2018 4851.1,2018 ; 4777.1,1955 4777.1,2017 ; 4783,1953 4783.1,2017 ; 4906.1,1956 4906.1,2018 ; 4914.1,1955 4914.1,2017 ; 4970.1,1954 4970.1,2017 ; 4851.1,2018 4851.1,1952.58 5023,1953.7 5023,2018 4851.1,2018
  lines w6: 4091.1,1948 4091.1,2020.9 ; 4093.1,1948.1 4264,1948.1 ; 4265.1,1947 4265.1,2019.9 ; 4707.9,2930 4757,2930 4757,3122 4707.9,3122 4707.9,2930 ; 4890,2880 4890,3122 4946,3122 4946,2880 4890,2880 ; 4946,2686 5002,2686 5002,3123 4946,3123 4946,2686
  text "SD-CARD" at 4746,3110 h25 r90
  text "Sep.7-2022 JinSon" at 4988,3110 h25 r90
  text "Tiny-Core" at 4930,3107 h25 r90
  text "G" at 4767,1976 h25
  text "R" at 4812,1975 h25
  text "T" at 4842,1975 h25
  text "EMMC" at 4222,1972 h25
Mechanical 1:
  lines w0.5: 4080.25,1836.73 4080.25,3175.31 4769.23,3175.31 ccw(c4828.28,3175.31) 4887.34,3175.31 5025.13,3175.31 5025.13,1836.73 4966.08,1836.73 ccw(c4966.08,1817.05) 4946.39,1817.05 4946.39,1695 cw(c4930.64,1695) 4930.64,1679.25 4332.22,1679.25 4332.22,1793.42 ccw(c4308.6,1793.42) 4284.97,1793.42 4284.97,1679.25 4174.74,1679.25 cw(c4174.74,1695) 4158.99,1695 4158.99,1817.05 ccw(c4139.31,1817.05) 4139.31,1836.73 4080.25,1836.73